# Altium PCB mdriver_control.PcbDoc (part 1 of 3) (continued)
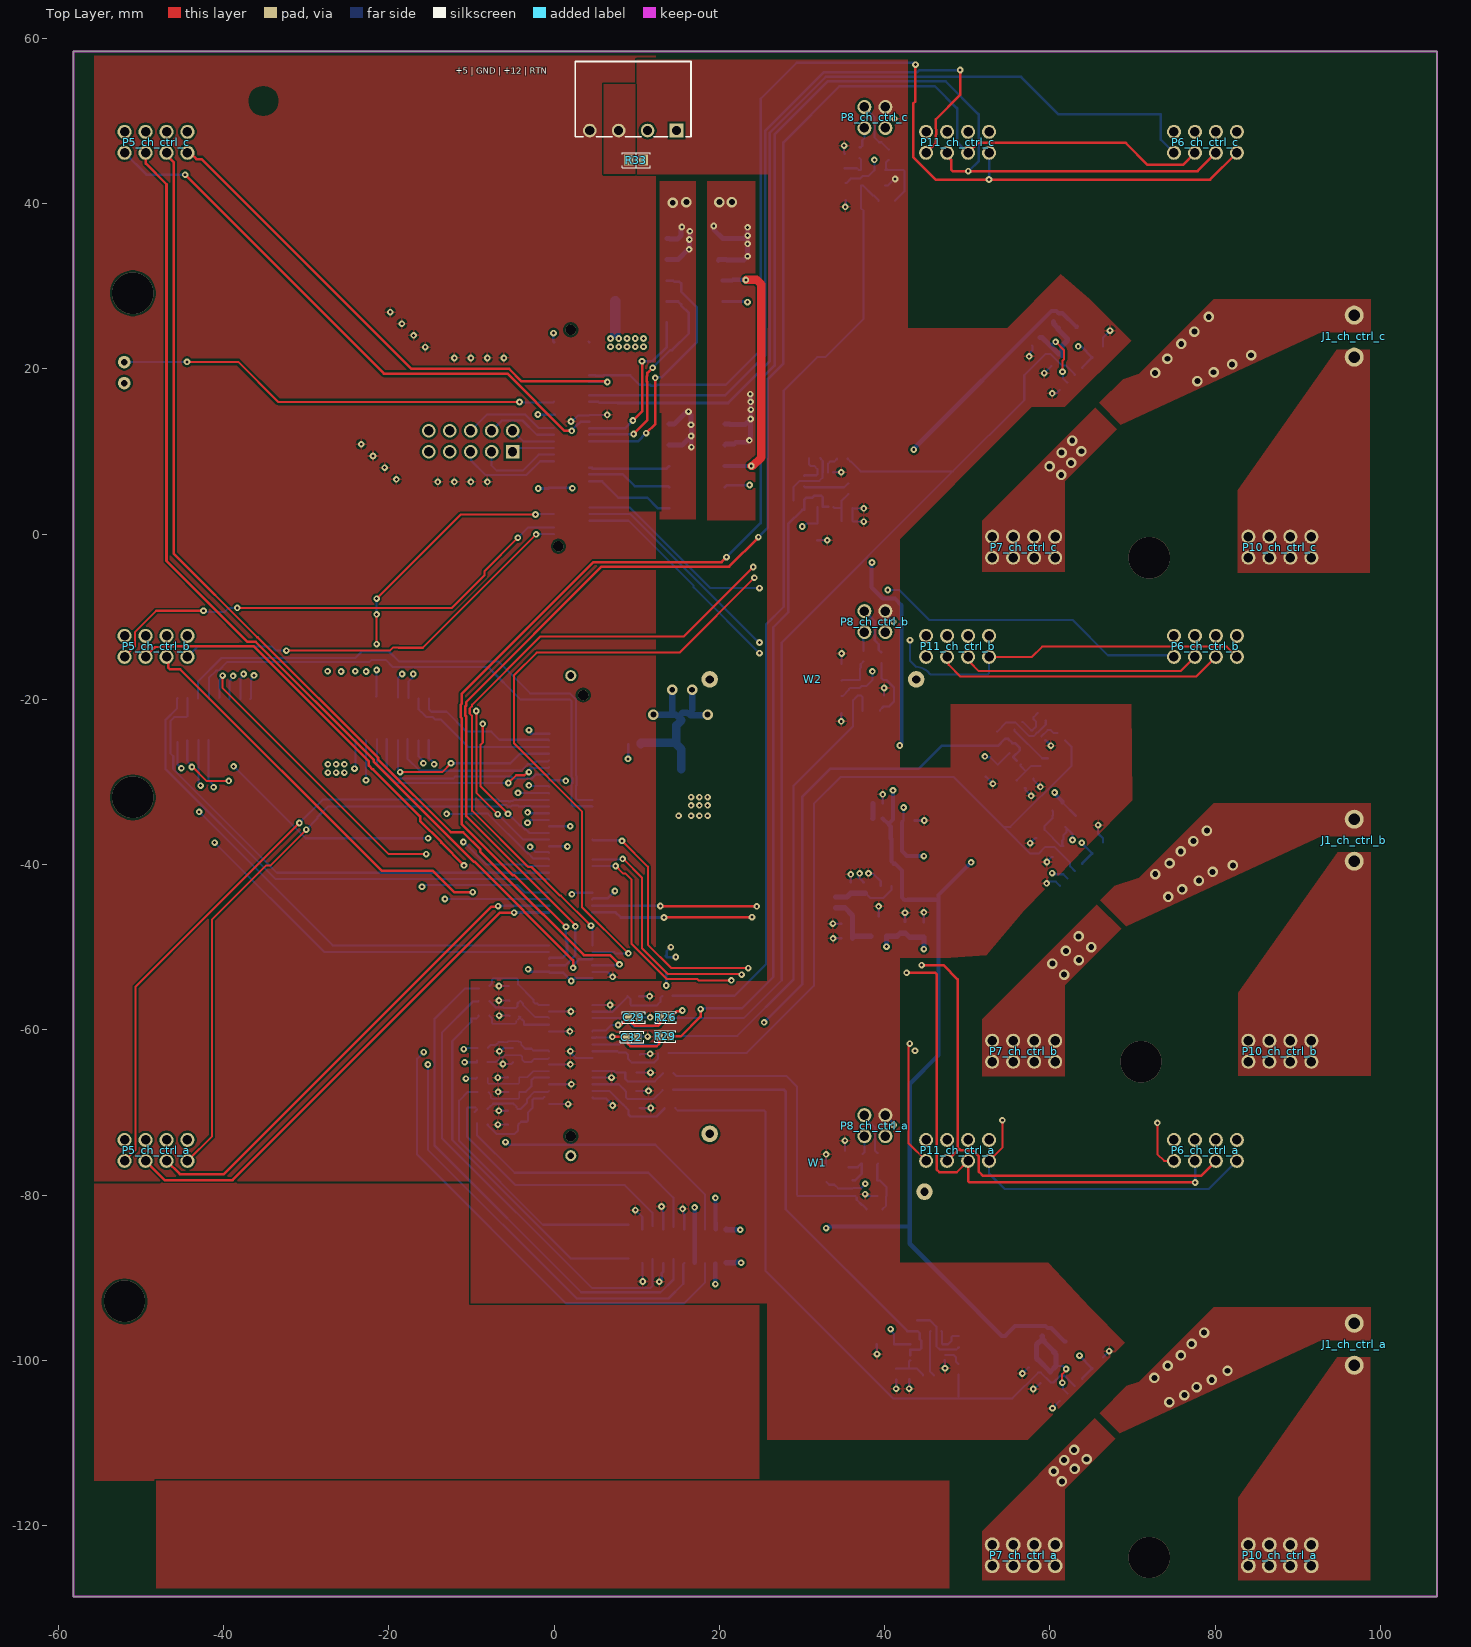
[diagram p0: Top Layer view]
## Components (designator, comment, footprint, x,y, rotation, side; value= is the part's Value field where it differs from the comment)
"10nF 0603_isns1" "06035C-103KAT2A" CAPC1608X90X35LL15T15 42.968,-101.638 r90 bottom (schematic designator "10nF 0603")
"10nF 0603_isns2" "06035C-103KAT2A" CAPC1608X90X35LL15T15 57.541,-29.157 r135 bottom (schematic designator "10nF 0603")
"10nF 0603_isns3" "06035C-103KAT2A" CAPC1608X90X35LL15T15 35.448,3.147 r180 bottom (schematic designator "10nF 0603")
C1_isns1 "100nF 25V 0805" FP-CC0805-0_85-MFG 61.235,-98.359 r45 bottom value="100 nF" (schematic designator C1)
C1_isns2 "100nF 25V 0805" FP-CC0805-0_85-MFG 62.507,-34.772 r45 bottom value="100 nF" (schematic designator C1)
C1_isns3 "100nF 25V 0805" FP-CC0805-0_85-MFG 62.631,24.446 r45 bottom value="100 nF" (schematic designator C1)
C2_isns1 "100nF 25V 0805" FP-CC0805-0_85-MFG 59.488,-102.107 r45 bottom value="100 nF" (schematic designator C2)
C2_isns2 "100nF 25V 0805" FP-CC0805-0_85-MFG 60.997,-38.416 r45 bottom value="100 nF" (schematic designator C2)
C2_isns3 "100nF 25V 0805" FP-CC0805-0_85-MFG 60.816,20.977 r45 bottom value="100 nF" (schematic designator C2)
C3 "1uF 0603 6.3V" FP-GRM188-0_1-MFG 35.728,-42.791 r270 bottom
C4 "22uF 0603 10V" FP-GRM188-0_2-IPC_C 39.164,-34.411 r180 bottom
c5 "0603 100nF" "CAP 0603_1608" 42.974,-34.665 r0 bottom
C6 "1uF 0603 6.3V" FP-GRM188-0_1-MFG 35.444,-48.921 r0 bottom
C7 "1uF 0603 6.3V" FP-GRM188-0_1-MFG 37.455,-42.791 r270 bottom
C8 "1uF 0603 6.3V" FP-GRM188-0_1-MFG 35.444,-47.143 r0 bottom
C9 "100nF 25V 0805" FP-CC0805-0_85-MFG 44.752,-47.873 r270 bottom value="100 nF"
C10 "2.2uF 0603 10V" FP-GRM188-0_1-e0_2_0_5-MFG 42.466,-47.619 r90 bottom
C11_ch_ctrl_a "0603 50V 100nF" FP-CGA3E-0_3-0_1-IPC_A 32.928,-77.359 r90 bottom (schematic designator C11)
C11_ch_ctrl_b "0603 50V 100nF" FP-CGA3E-0_3-0_1-IPC_A 34.789,-20.637 r270 bottom (schematic designator C11)
C11_ch_ctrl_c "0603 50V 100nF" FP-CGA3E-0_3-0_1-IPC_A 35.297,41.466 r270 bottom (schematic designator C11)
C12 "1uF 0603 6.3V" FP-GRM188-0_1-MFG 12.825,-51.087 r180 bottom
C13_isns1 "0603 50V 100nF" FP-CGA3E-0_3-0_1-IPC_A 40.098,-98.031 r180 bottom (schematic designator C13)
C13_isns2 "0603 50V 100nF" FP-CGA3E-0_3-0_1-IPC_A 52.961,-28.636 r225 bottom (schematic designator C13)
C13_isns3 "0603 50V 100nF" FP-CGA3E-0_3-0_1-IPC_A 31.842,0.277 r270 bottom (schematic designator C13)
C14 "47uF 0805 6.3V" CAPC2014X150X70LL20 12.825,-53.087 r180 bottom
C15 "0603" "CAP 0603_1608" 9.684,-69.434 r180 bottom
C16 "0603" "CAP 0603_1608" -4.896,-71.486 r0 bottom
C17 "0603" "CAP 0603_1608" -4.891,-69.788 r0 bottom
C18 "0603" "CAP 0603_1608" 9.232,-65.204 r180 bottom
C19 "100nF 25V 0805" FP-CC0805-0_85-MFG 14.084,-32.227 r180 bottom value="100 nF"
C20 "10uF 0805 10V" FP-C0805C-DG-MFG 9.719,-25.438 r180 bottom value=10uF
C21 "0603" "CAP 0603_1608" -4.84,-67.496 r0 bottom
C22 "0603" "CAP 0603_1608" 9.232,-67.43 r180 bottom
C23 "0603" "CAP 0603_1608" -4.722,-58.423 r0 bottom
C24_isns1 "100nF 25V 0805" FP-CC0805-0_85-MFG 65.772,-100.301 r225 bottom value="100 nF" (schematic designator C24)
C24_isns2 "100nF 25V 0805" FP-CC0805-0_85-MFG 65.772,-37.976 r225 bottom value="100 nF" (schematic designator C24)
C24_isns3 "100nF 25V 0805" FP-CC0805-0_85-MFG 65.772,22.024 r225 bottom value="100 nF" (schematic designator C24)
C25 "0603" "CAP 0603_1608" -4.732,-56.486 r0 bottom
C26 "0603" "CAP 0603_1608" -4.775,-54.687 r0 bottom
C27 "0603" "CAP 0603_1608" 9.703,-63.035 r180 bottom
C28 "0603" "CAP 0603_1608" 9.371,-60.928 r180 bottom
C29 "0603" "CAP 0603_1608" 9.625,-58.487 r180 top
C30 "0603" "CAP 0603_1608" 9.684,-58.475 r180 bottom
C31 "0603" "CAP 0603_1608" 9.5,-55.976 r180 bottom
C32 "0603" "CAP 0603_1608" 9.425,-60.887 r180 top
C33 "0603" "CAP 0603_1608" -4.275,-62.187 r0 bottom
C34 "0603" "CAP 0603_1608" -4.901,-65.711 r0 bottom
C35 "0603" "CAP 0603_1608" -4.275,-63.887 r0 bottom
D2_isns1 "1N914BWT" FP-502-01-MFG 49.013,-97.701 r270 bottom value=4pF (schematic designator D2)
D2_isns2 "1N914BWT" FP-502-01-MFG 59.032,-22.098 r315 bottom value=4pF (schematic designator D2)
D2_isns3 "1N914BWT" FP-502-01-MFG 31.511,9.192 r0 bottom value=4pF (schematic designator D2)
D3_isns1 "1N914BWT" FP-502-01-MFG 46.219,-96.456 r0 bottom value=4pF (schematic designator D3)
D3_isns2 "1N914BWT" FP-502-01-MFG 56.176,-23.194 r45 bottom value=4pF (schematic designator D3)
D3_isns3 "1N914BWT" FP-502-01-MFG 30.267,6.398 r90 bottom value=4pF (schematic designator D3)
J1_ch_ctrl_a "weidmuller_20A_2p_f" weidmuller_19A_2p_m 96.825,-100.587 r90 top locked (schematic designator J1)
J1_ch_ctrl_b "weidmuller_20A_2p_f" weidmuller_19A_2p_m 96.825,-39.587 r90 top locked (schematic designator J1)
J1_ch_ctrl_c "weidmuller_20A_2p_f" weidmuller_19A_2p_m 96.825,21.413 r90 top locked (schematic designator J1)
J3 "HSEC8-160-01-L-DV-A-BL" FP-HSEC8-160-01-L-DV-A-BL-MFG 2.018,-46.182 r270 bottom locked
J4 "SAMTEC-A-HSEC8-130-01-L-DV-AJ" SAMTEC-A-HSEC-120 2.273,10.217 r90 bottom
J5 "691243100004" 691243100004 9.565,52.633 r180 top
J6 "pin_connector_20_m" PIN_20_MALE_3220-20-0300-00 20.825,-81.587 r270 bottom locked
J8 "pin_header_50_male_smd" pin_connector_50_m_1.27_smd -15.175,-24.587 r90 bottom locked
P1 "61301021121" 61301021121 -10.093,11.23 r180 bottom
P2 "Header 2H" HEADER_1_2_f -52.019,19.537 r90 bottom
P3 "61231020621" 61231020621 17.015,30.683 r90 bottom
P4 "61231020621" 61231020621 17.285,8.223 r90 bottom
P5_ch_ctrl_a "buck_connector" header_4_2_f#1 -48.175,-74.587 r0 top locked (schematic designator P5)
P5_ch_ctrl_b "buck_connector" header_4_2_f#2 -48.175,-13.587 r180 top locked (schematic designator P5)
P5_ch_ctrl_c "buck_connector" header_4_2_f#3 -48.175,47.413 r0 top locked (schematic designator P5)
P6_ch_ctrl_a "lega_connector" header_4_2_f#4 78.825,-74.587 r0 top locked (schematic designator P6)
P6_ch_ctrl_b "lega_connector" header_4_2_f#2 78.825,-13.587 r180 top locked (schematic designator P6)
P6_ch_ctrl_c "lega_connector" header_4_2_f#5 78.825,47.413 r0 top locked (schematic designator P6)
P7_ch_ctrl_a "Header 8" header_4_2_f#6 56.825,-123.587 r180 top locked (schematic designator P7)
P7_ch_ctrl_b "Header 8" header_4_2_f#2 56.825,-62.587 r0 top locked (schematic designator P7)
P7_ch_ctrl_c "Header 8" header_4_2_f#7 56.825,-1.587 r0 top locked (schematic designator P7)
P8_ch_ctrl_a "Header 4" header_2_2_f#1 38.825,-71.587 r90 top (schematic designator P8)
P8_ch_ctrl_b "Header 4" header_2_2_f#2 38.825,-10.587 r90 top locked (schematic designator P8)
P8_ch_ctrl_c "Header 4" header_2_2_f#2 38.825,50.413 r90 top (schematic designator P8)
P10_ch_ctrl_a "Header 8" header_4_2_f#6 87.825,-123.587 r180 top locked (schematic designator P10)
P10_ch_ctrl_b "Header 8" header_4_2_f#2 87.825,-62.587 r0 top locked (schematic designator P10)
P10_ch_ctrl_c "Header 8" header_4_2_f#7 87.825,-1.587 r0 top locked (schematic designator P10)
P11_ch_ctrl_a "legb_connector" header_4_2_f#8 48.825,-74.587 r0 top locked (schematic designator P11)
P11_ch_ctrl_b "legb_connector" header_4_2_f#2 48.825,-13.587 r180 top locked (schematic designator P11)
P11_ch_ctrl_c "legb_connector" header_4_2_f#5 48.825,47.413 r0 top locked (schematic designator P11)
R1_ch_ctrl_a "Res1" "RES 0805_2012"#1 38.853,-81.724 r180 bottom value=1K (schematic designator R1)
R1_ch_ctrl_b "Res1" "RES 0805_2012"#2 38.218,-21.399 r180 bottom value=1K (schematic designator R1)
R1_ch_ctrl_c "Res1" "RES 0805_2012"#3 40.377,40.323 r180 bottom value=1K (schematic designator R1)
R2_ch_ctrl_a "Res1" "RES 0603_1608" 39.175,-75.558 r270 bottom value=1K (schematic designator R2)
R2_ch_ctrl_b "Res1" "RES 0603_1608" 39.615,-14.937 r270 bottom value=1K (schematic designator R2)
R2_ch_ctrl_c "Res1" "RES 0603_1608" 40.504,45.911 r270 bottom value=1K (schematic designator R2)
R3_ch_ctrl_a "Res1" "RES 0603_1608" 37.355,-75.673 r270 bottom value=1K (schematic designator R3)
R3_ch_ctrl_b "Res1" "RES 0603_1608" 37.456,-14.795 r270 bottom value=1K (schematic designator R3)
R3_ch_ctrl_c "Res1" "RES 0603_1608" 36.948,46.165 r270 bottom value=1K (schematic designator R3)
R4_ch_ctrl_a "Res1" "RES 0805_2012"#4 35.161,-75.76 r270 bottom value=1K (schematic designator R4)
R4_ch_ctrl_b "Res1" "RES 0805_2012"#5 34.789,-16.573 r270 bottom value=1K (schematic designator R4)
R4_ch_ctrl_c "Res1" "RES 0805_2012"#6 35.17,45.149 r270 bottom value=1K (schematic designator R4)
R5_isns1 "10k 0603 0.1%" RESC1608X55X30ML20T20 59.563,-96.59 r45 bottom (schematic designator R5)
R5_isns2 "10k 0603 0.1%" RESC1608X55X30ML20T20 60.814,-32.992 r45 bottom (schematic designator R5)
R5_isns3 "10k 0603 0.1%" RESC1608X55X30ML20T20 60.921,26.233 r45 bottom (schematic designator R5)
R6_isns1 "10k 0603 0.1%" RESC1608X55X30ML20T20 57.933,-100.385 r45 bottom (schematic designator R6)
R6_isns2 "10k 0603 0.1%" RESC1608X55X30ML20T20 58.875,-36.294 r45 bottom (schematic designator R6)
R6_isns3 "10k 0603 0.1%" RESC1608X55X30ML20T20 58.335,23.305 r45 bottom (schematic designator R6)
R7 "0" "RES 0805_2012"#6 7.419,29.15 r270 bottom
R8 "0603" "RES 0603_1608" 14.025,-69.487 r0 bottom
R9 "0.1Ohm 0603" RESC1508X46X38NL25T25 39.201,-32.609 r180 bottom
R10 "Res1" "RES 0603_1608" 33.906,-44.571 r90 bottom value=1K
R11 "0603" "RES 0603_1608" 13.806,-65.086 r0 bottom
R13_isns1 "0603 10k" "RES 0603_1608" 43.908,-95.796 r270 bottom value=1K (schematic designator R13)
R13_isns2 "0603 10k" "RES 0603_1608" 54.075,-24.361 r315 bottom value=1K (schematic designator R13)
R13_isns3 "0603 10k" "RES 0603_1608" 29.606,4.087 r0 bottom value=1K (schematic designator R13)
R14_isns1 "0603 100" "RES 0603_1608" 45.305,-101.816 r180 bottom value=1K (schematic designator R14)
R14_isns2 "0603 100" "RES 0603_1608" 59.319,-27.63 r225 bottom value=1K (schematic designator R14)
R14_isns3 "0603 100" "RES 0603_1608" 35.626,5.484 r270 bottom value=1K (schematic designator R14)
R15_isns1 "0603 Jumper" "RES 0603_1608" 48.962,-101.079 r90 bottom value=1K (schematic designator R15)
R15_isns2 "0603 Jumper" "RES 0603_1608" 61.385,-24.523 r135 bottom value=1K (schematic designator R15)
R15_isns3 "0603 Jumper" "RES 0603_1608" 34.89,9.141 r180 bottom value=1K (schematic designator R15)
R16_isns1 "0603 100k" "RES 0603_1608" 41.393,-101.663 r90 bottom value=1K (schematic designator R16)
R16_isns2 "0603 100k" "RES 0603_1608" 56.446,-30.288 r135 bottom value=1K (schematic designator R16)
R16_isns3 "0603 100k" "RES 0603_1608" 35.474,1.572 r180 bottom value=1K (schematic designator R16)
R17 "0603" "RES 0603_1608" 13.761,-67.195 r0 bottom
R18 "0603" "RES 0603_1608" -8.675,-71.487 r180 bottom
R19 "0603" "RES 0603_1608" -8.675,-69.587 r180 bottom
R20 "0603" "RES 0603_1608" -8.639,-67.496 r180 bottom
R21 "0603" "RES 0603_1608" -8.625,-58.295 r180 bottom
R22 "0603" "RES 0603_1608" -8.508,-56.486 r180 bottom
R23 "0603" "RES 0603_1608" -8.536,-54.687 r180 bottom
R24 "0603" "RES 0603_1608" 13.476,-62.906 r0 bottom
R25 "0603" "RES 0603_1608" 13.486,-60.728 r0 bottom
R26 "0603" "RES 0603_1608" 13.525,-58.487 r0 top
R27 "0603" "RES 0603_1608" 13.524,-58.475 r0 bottom
R28 "0603" "RES 0603_1608" 13.876,-55.927 r0 bottom
R29 "0603" "RES 0603_1608" 13.425,-60.787 r0 top
R30 "0603" "RES 0603_1608" -8.625,-62.187 r180 bottom
R31 "0603" "RES 0603_1608" -8.679,-65.778 r180 bottom
R32 "0603" "RES 0603_1608" -8.675,-63.887 r180 bottom
R33 "0" "RES 0805_2012"#6 9.921,45.251 r0 top
U1_ch_ctrl_a "LMC7101QM5X/NOPB" DBV0005A_M 37.634,-79.159 r0 bottom (schematic designator U1)
U1_ch_ctrl_b "LMC7101QM5X/NOPB" DBV0005A_M 38.472,-18.605 r0 bottom (schematic designator U1)
U1_ch_ctrl_c "LMC7101QM5X/NOPB" DBV0005A_M 38.599,43.117 r0 bottom (schematic designator U1)
U2 "REF3130AIDBZR" DBZ0003A_N 39.278,-47.463 r90 bottom
U3_isns1 "TMCS1100A1QDR" SOIC8 67.723,-106.014 r135 bottom (schematic designator U3)
U3_isns2 "TMCS1100A1QDR" SOIC8 67.723,-43.689 r135 bottom (schematic designator U3)
U3_isns3 "TMCS1100A1QDR" SOIC8 67.723,16.311 r135 bottom (schematic designator U3)
U4 "OPA350UA" D0008A_M 41.45,-39.745 r90 bottom
U5 "LD1117AS33TR" SOT-223_M 15.403,-25.491 r90 bottom
U6_isns1 "LTC6244HMS8#TRPBF" LT-MS8-8_L 45.203,-99.022 r180 bottom (schematic designator U6)
U6_isns2 "LTC6244HMS8#TRPBF" LT-MS8-8_L 57.272,-25.726 r225 bottom (schematic designator U6)
U6_isns3 "LTC6244HMS8#TRPBF" LT-MS8-8_L 32.832,5.382 r270 bottom (schematic designator U6)
W1 "wire_jumper" wire_jumper#1 46.825,-85.587 r90 top
W2 "wire_jumper" wire_jumper#2 45.825,-24.587 r90 top

## Footprints (in the part's own frame and the unit in brackets; to place one, negate y for a bottom-side part, rotate by r counter-clockwise, add the part's x,y. Pads: shape width x height; smd on the part's side, far side on the other; paste and mask are expansions set on the pad)
61231020621 [mm] "WR-BHD 2.54mm Male SMT Box Header (Reel), 10p"
  rect 1x3.75 smd: 1(-5.08,-3.375) 2(-5.08,3.375) 3(-2.54,-3.375) 4(-2.54,3.375) 5(0,-3.375) 6(0,3.375) 7(2.54,-3.375) 8(2.54,3.375) 9(5.08,-3.375) 10(5.08,3.375)
  silkscreen extent -10.25,-4.6 10.25,4.6, body extent -10.16,-4.75 10.16,4.75, height 10.55
61301021121 [mm] "Pin Header, pitch 2.54 mm, THT, Vertical, dual row, 10p"
  rect 1.65x1.65 hole 1.1: 1(-5.08,-1.27)
  round 1.65 hole 1.1: 2(-5.08,1.27) 3(-2.54,-1.27) 4(-2.54,1.27) 5(0,-1.27) 6(0,1.27) 7(2.54,-1.27) 8(2.54,1.27) 9(5.08,-1.27) 10(5.08,1.27)
  silkscreen extent -6.5,-2.62 6.5,2.62, body extent -6.35,-2.54 6.35,2.54, height 8.59
691243100004 [mm] "Serie 2431 - 3.50 mm _ 4 pins"
  rect 1.65x1.65 hole 1.1: 1(-5.25,3.8)
  round 1.65 hole 1.1: 2(-1.75,3.8) 3(1.75,3.8) 4(5.25,3.8)
  silkscreen extent -7,-4.55 7,4.55, body extent -7,-4.55 7,4.55, height 7.35
"CAP 0603_1608" [mm] "Chip Capacitor, 2-Leads, Body 1.60x0.80mm, IPC Medium Density"
  rect 0.9x1 smd: 1(-0.675,0) 2(0.675,0)
  silkscreen extent -1.4,-0.7 1.4,0.7, body extent -0.8,-0.41 0.8,0.41, height 0.82
CAPC1608X90X35LL15T15 [mm] "Chip Capacitor, 2-Leads, Body 1.60x0.81mm, IPC High Density"
  rect 0.85x0.9 smd: 1(-0.65,0) 2(0.65,0)
  body extent -0.88,-0.48 0.87,0.48, height 0.9
CAPC2014X150X70LL20 [mm] "Chip Capacitor, 2-Leads, Body 2.00x1.35mm, IPC High Density"
  rect 1.05x1.45 smd: 1(-0.725,0) 2(0.725,0)
  body extent -1.1,-0.77 1.1,0.77, height 1.5
D0008A_M [mm] "SOIC, 8-Leads, Body 5x4mm, Pitch 1.27mm, IPC Low Density"
  rrect15% 1.65x0.65 smd: 1(-2.825,1.905) 2(-2.825,0.635) 3(-2.825,-0.635) 4(-2.825,-1.905) 5(2.825,-1.905) 6(2.825,-0.635) 7(2.825,0.635) 8(2.825,1.905)
  silkscreen extent -2.95,-2.5 1.6,2.9, body extent -3,-2.45 3,2.45, height 1.63
DBV0005A_M [mm] "SOT23, 5-Leads, Body 3.05x1.75mm, Pitch 0.95mm, IPC Low Density"
  rrect15% 1.2x0.65 smd mask+0.051: 1(-1.475,0.95) 2(-1.475,0) 3(-1.475,-0.95) 4(1.475,-0.95) 5(1.475,0.95)
  silkscreen extent -1.6,-1.55 0.5,1.95, body extent -1.42,-1.46 1.42,1.46, height 1.08
DBZ0003A_N [mm] "SOT23, 3-Leads, Body 3.04x1.4mm, Pitch 0.95mm, IPC Medium Density"
  rrect17% 1x0.6 smd: 1(-1.2,0.95) 2(-1.2,-0.95) 3(1.2,0)
  silkscreen extent -1.32,-1.5 0.7,1.92, body extent -1.26,-1.46 1.26,1.46, height 0.96
FP-502-01-MFG [mm]
  rect 0.48x0.4 smd paste+0 mask+0: 1(-0.66,0) 2(0.66,0)
  silkscreen extent -1.62,-0.45 0.05,0.45, body extent -0.8,-0.4 0.8,0.4, height 0.7
FP-C0805C-DG-MFG [mm]
  rect 0.95x1.35 smd paste+0 mask+0: 1(-0.75,0) 2(0.75,0)
  silkscreen extent -1.11,-1.08 1.1,1.07, body extent -1,-0.63 1,0.62, height 1.4
FP-CC0805-0_85-MFG [mm]
  rect 0.95x1.4 smd paste+0 mask+0: 1(-0.925,0) 2(0.925,0)
  silkscreen extent -0.08,-0.72 0.08,0.73, body extent -1,-0.63 1,0.62, height 0.95
FP-CGA3E-0_3-0_1-IPC_A [mm]
  rect 0.956x1.206 smd paste+0 mask+0: 1(-1.025,0) 2(1.025,0)
  silkscreen extent -0.25,-0.6 0.25,0.6, body extent -0.8,-0.4 0.8,0.4, height 1.1
FP-GRM188-0_1-e0_2_0_5-MFG [mm]
  rect 0.65x0.7 smd paste+0 mask+0: 1(-0.675,0) 2(0.675,0)
  silkscreen extent -0.85,-0.75 0.85,0.75, body extent -0.8,-0.4 0.8,0.4, height 0.9
FP-GRM188-0_1-MFG [mm]
  rect 0.65x0.7 smd paste+0 mask+0: 1(-0.675,0) 2(0.675,0)
  silkscreen extent -0.91,-0.78 0.82,0.75, body extent -0.8,-0.4 0.8,0.4, height 0.9
FP-GRM188-0_2-IPC_C [mm]
  rect 0.905x0.906 smd paste+0 mask+0: 1(-0.601,0) 2(0.601,0)
  silkscreen extent -1.05,-0.9 1.05,0.9, body extent -0.8,-0.4 0.8,0.4, height 1
FP-HSEC8-160-01-L-DV-A-BL-MFG [mm]
  rect 0.5x3.048 smd paste+0 mask+0: 1(25.2,2.625) 2(25.2,-2.626) 3(24.4,2.625) 4(24.4,-2.626) 5(23.6,2.625) 6(23.6,-2.626) 7(22.8,2.625) 8(22.8,-2.626) 9(22,2.625) 10(22,-2.626) 11(21.2,2.625) 12(21.2,-2.626) 13(20.4,2.625) 14(20.4,-2.626) 15(19.6,2.625) 16(19.6,-2.626) 17(18.8,2.625) 18(18.8,-2.626) 19(18,2.625) 20(18,-2.626) 21(17.2,2.625) 22(17.2,-2.626) 23(16.4,2.625) 24(16.4,-2.626) 25(15.6,2.625) 26(15.6,-2.626) 27(14.8,2.625) 28(14.8,-2.626) 29(14,2.625) 30(14,-2.626) 31(13.2,2.625) 32(13.2,-2.626) 33(12.4,2.625) 34(12.4,-2.626) 35(11.6,2.625) 36(11.6,-2.626) 37(10.8,2.625) 38(10.8,-2.626) 39(10,2.625) 40(10,-2.626) 41(9.2,2.625) 42(9.2,-2.626) 43(8.4,2.625) 44(8.4,-2.626) 45(7.6,2.625) 46(7.6,-2.626) 47(6.8,2.625) 48(6.8,-2.626) 49(6,2.625) 50(6,-2.626) 51(5.2,2.625) 52(5.2,-2.626) 53(4.4,2.625) 54(4.4,-2.626) 55(3.6,2.625) 56(3.6,-2.626) 57(-0.4,2.625) 58(-0.4,-2.626) 59(-1.2,2.625) 60(-1.2,-2.626) 61(-2,2.625) 62(-2,-2.626) 63(-2.8,2.625) 64(-2.8,-2.626) 65(-3.6,2.625) 66(-3.6,-2.626) 67(-4.4,2.625) 68(-4.4,-2.626) 69(-5.2,2.625) 70(-5.2,-2.626) 71(-6,2.625) 72(-6,-2.626) 73(-6.8,2.625) 74(-6.8,-2.626) 75(-7.6,2.625) 76(-7.6,-2.626) 77(-8.4,2.625) 78(-8.4,-2.626) 79(-9.2,2.625) 80(-9.2,-2.626) 81(-10,2.625) 82(-10,-2.626) 83(-10.8,2.625) 84(-10.8,-2.626) 85(-11.6,2.625) 86(-11.6,-2.626) 87(-12.4,2.625) 88(-12.4,-2.626) 89(-13.2,2.625) 90(-13.2,-2.626) 91(-14,2.625) 92(-14,-2.626) 93(-14.8,2.625) 94(-14.8,-2.626) 95(-15.6,2.625) 96(-15.6,-2.626) 97(-16.4,2.625) 98(-16.4,-2.626) 99(-17.2,2.625) 100(-17.2,-2.626) 101(-18,2.625) 102(-18,-2.626) 103(-18.8,2.625) 104(-18.8,-2.626) 105(-19.6,2.625) 106(-19.6,-2.626) 107(-20.4,2.625) 108(-20.4,-2.626) 109(-21.2,2.625) 110(-21.2,-2.626) 111(-22,2.625) 112(-22,-2.626) 113(-22.8,2.625) 114(-22.8,-2.626) 115(-23.6,2.625) 116(-23.6,-2.626) 117(-24.4,2.625) 118(-24.4,-2.626) 119(-25.2,2.625) 120(-25.2,-2.626)
  round 1.34 hole 0.84 paste-2539.97 mask+0: 121(-29.05,0) 122(29.05,0)
  round 1.27 hole 1.27 unplated paste-2539.97 mask+0: ""(-26.7,-1.5) ""(26.7,0)
  silkscreen extent -25.32,-4.25 -25.08,-4, body extent -33.52,-3.5 33.53,3.5, height 12
HEADER_1_2_f [mil]
  round 60 hole 30: 1(-50,0) 2(50,0)
  body extent -100,-50 100,50, height 335
header_2_2_f#1 [mm]
  round 1.7 hole 1.15: 1(1.265,-1.265) 2(1.265,1.275) 3(-1.275,1.275) 4(-1.275,-1.265)
  body extent -2.54,-2.54 2.54,2.54, height 8.5
header_2_2_f#2 [mm]
  round 1.7 hole 1.15: 1(1.27,-1.27) 2(1.27,1.27) 3(-1.27,1.27) 4(-1.27,-1.27)
  body extent -2.54,-2.54 2.54,2.54, height 8.5
header_4_2_f#1 [mm]
  round 1.7 hole 1.15: 1(3.81,-1.27) 2(1.27,1.27) 3(1.27,-1.27) 4(3.797,1.281) 5(-1.27,-1.27) 6(-3.81,1.27) 7(-3.81,-1.27) 8(-1.27,1.27)
  body extent -5.08,-2.54 5.08,2.54, height 8.5
header_4_2_f#2 [mm]
  round 1.7 hole 1.15: 1(-3.81,1.27) 2(-3.81,-1.27) 3(-1.27,1.27) 4(-1.27,-1.27) 5(1.27,1.27) 6(1.27,-1.27) 7(3.81,1.27) 8(3.81,-1.27)
  body extent -5.08,-2.54 5.08,2.54, height 8.5
header_4_2_f#3 [mm]
  round 1.7 hole 1.15: 1(3.81,-1.27) 2(1.27,1.27) 3(1.27,-1.27) 4(3.81,1.27) 5(-1.27,-1.27) 6(-3.81,1.27) 7(-3.81,-1.27) 8(-1.27,1.27)
  body extent -5.08,-2.54 5.08,2.54, height 8.5
header_4_2_f#4 [mm]
  round 1.7 hole 1.15: 1(3.81,-1.27) 2(3.81,1.27) 3(1.27,-1.27) 4(1.27,1.27) 5(-1.27,-1.27) 6(-1.27,1.27) 7(-3.81,-1.27) 8(-3.81,1.27)
  body extent -5.08,-2.54 5.08,2.54, height 8.5
header_4_2_f#5 [mm]
  round 1.7 hole 1.15: 1(3.81,-1.27) 2(3.81,1.27) 3(1.27,-1.27) 4(1.27,1.27) 5(-1.27,-1.27) 6(-3.81,1.27) 7(-3.81,-1.27) 8(-1.27,1.27)
  body extent -5.08,-2.54 5.08,2.54, height 8.5
header_4_2_f#6 [mm]
  round 1.8 hole 1.15: 1(-3.81,-1.27) 2(-3.81,1.27) 3(-1.27,-1.27) 4(-1.27,1.27) 5(1.27,-1.27) 6(1.27,1.27) 7(3.81,-1.27) 8(3.81,1.27)
  body extent -5.08,-2.54 5.08,2.54, height 8.5
header_4_2_f#7 [mm]
  round 1.7 hole 1.15: 1(-3.81,-1.27) 2(-3.81,1.27) 3(-1.27,-1.27) 4(-1.27,1.27) 5(1.27,-1.27) 6(1.27,1.27) 7(3.81,-1.27) 8(3.81,1.27)
  body extent -5.08,-2.54 5.08,2.54, height 8.5
header_4_2_f#8 [mm]
  round 1.7 hole 1.15: 1(3.81,-1.27) 2(1.27,1.27) 3(1.27,-1.27) 4(3.81,1.27) 6(-3.81,1.27) 7(-3.81,-1.27) 8(-1.27,1.27) ""(-1.27,-1.27)
  body extent -5.08,-2.54 5.08,2.54, height 8.5
LT-MS8-8_L [mm] "SOP, 8-Leads, Body 3x3mm, Pitch 0.65mm, IPC High Density"
  oval 1.3x0.45 smd mask+0.051: 1(-2.1,0.975) 2(-2.1,0.325) 3(-2.1,-0.325) 4(-2.1,-0.975) 5(2.1,-0.975) 6(2.1,-0.325) 7(2.1,0.325) 8(2.1,0.975)
  silkscreen extent -2.23,-1.55 1.05,1.87, body extent -1.55,-1.55 1.55,1.55, height 1.1
PIN_20_MALE_3220-20-0300-00 [mm]
  rect 2.77x0.65 smd: 1(2.54,0) 2(6.604,0) 3(2.54,1.27) 4(6.604,1.27) 5(2.54,2.54) 6(6.604,2.54) 7(2.54,3.81) 8(6.604,3.81) 9(2.54,5.08) 10(6.604,5.08) 11(2.54,6.35) 12(6.604,6.35) 13(2.54,7.62) 14(6.604,7.62) 15(2.54,8.89) 16(6.604,8.89) 17(2.54,10.16) 18(6.604,10.16) 19(2.54,11.43) 20(6.604,11.43)
  body extent 1.69,-3.78 7.19,15.22, height 5.4
pin_connector_50_m_1.27_smd [mm]
  rect 4.09x0.74 smd: 1(0,0)
  oval 4.09x0.74 smd: 2(0,-1.27) 3(0,-2.54) 4(0,-3.81) 5(0,-5.08) 6(0,-6.35) 7(0,-7.62) 8(0,-8.89) 9(0,-10.16) 10(0,-11.43) 11(0,-12.7) 12(0,-13.97) 13(0,-15.24) 14(0,-16.51) 15(0,-17.78) 16(0,-19.05) 17(0,-20.32) 18(0,-21.59) 19(0,-22.86) 20(0,-24.13) 21(0,-25.4) 22(0,-26.67) 23(0,-27.94) 24(0,-29.21) 25(0,-30.48) 26(4.95,-30.48) 27(4.95,-29.21) 28(4.95,-27.94) 29(4.95,-26.67) 30(4.95,-25.4) 31(4.95,-24.13) 32(4.95,-22.86) 33(4.95,-21.59) 34(4.95,-20.32) 35(4.95,-19.05) 36(4.95,-17.78) 37(4.95,-16.51) 38(4.95,-15.24) 39(4.95,-13.97) 40(4.95,-12.7) 41(4.95,-11.43) 42(4.95,-10.16) 43(4.95,-8.89) 44(4.95,-7.62) 45(4.95,-6.35) 46(4.95,-5.08) 47(4.95,-3.81) 48(4.95,-2.54) 49(4.95,-1.27) 50(4.95,0)
  body extent -1.3,-38.42 6.22,7.82, height 11.67
"RES 0603_1608" [mm] "Chip Resistor, 2-Leads, Body 1.60x0.80mm, IPC Medium Density"
  rect 0.85x0.95 smd: 1(-0.65,0) 2(0.65,0)
  silkscreen extent -1.27,-0.7 1.27,0.7, body extent -0.8,-0.4 0.8,0.4, height 0.45
"RES 0805_2012"#1 [mm] "Chip Resistor, 2-Leads, Body 2.00x1.25mm, IPC Medium Density"
  rect 1.15x1.35 smd: 1(-0.875,0) 2(1.045,-0.012)
  silkscreen extent -1.7,-0.9 1.7,0.9, body extent -1,-0.62 1,0.63, height 0.6
"RES 0805_2012"#2 [mm] "Chip Resistor, 2-Leads, Body 2.00x1.25mm, IPC Medium Density"
  rect 1.15x1.35 smd: 1(-1.201,-0.012) 2(0.875,0)
  silkscreen extent -1.7,-0.9 1.7,0.9, body extent -1,-0.62 1,0.63, height 0.6
"RES 0805_2012"#3 [mm] "Chip Resistor, 2-Leads, Body 2.00x1.25mm, IPC Medium Density"
  rect 1.15x1.35 smd: 1(-0.875,0) 2(1.129,0)
  silkscreen extent -1.7,-0.9 1.7,0.9, body extent -1,-0.62 1,0.63, height 0.6
"RES 0805_2012"#4 [mm] "Chip Resistor, 2-Leads, Body 2.00x1.25mm, IPC Medium Density"
  rect 1.15x1.35 smd: 1(-1.097,-0.02) 2(0.875,0)
  silkscreen extent -1.7,-0.9 1.7,0.9, body extent -1,-0.62 1,0.63, height 0.6
"RES 0805_2012"#5 [mm] "Chip Resistor, 2-Leads, Body 2.00x1.25mm, IPC Medium Density"
  rect 1.15x1.35 smd: 1(-0.875,0) 2(1.149,-0.02)
  silkscreen extent -1.7,-0.9 1.7,0.9, body extent -1,-0.62 1,0.63, height 0.6
"RES 0805_2012"#6 [mm] "Chip Resistor, 2-Leads, Body 2.00x1.25mm, IPC Medium Density"
  rect 1.15x1.35 smd: 1(-0.875,0) 2(0.875,0)
  silkscreen extent -1.7,-0.9 1.7,0.9, body extent -1,-0.62 1,0.63, height 0.6
RESC1508X46X38NL25T25 [mm] "Chip Resistor, 2-Leads, Body 1.52x0.76mm, IPC Medium Density"
  rect 1x1 smd: 1(-0.6,0) 2(0.6,0)
  body extent -0.89,-0.51 0.89,0.51, height 0.46
RESC1608X55X30ML20T20 [mm] "Chip Resistor, 2-Leads, Body 1.60x0.80mm, IPC Low Density"
  rect 1x1.1 smd: 1(-0.7,0) 2(0.7,0)
  body extent -0.9,-0.5 0.9,0.5, height 0.55
SAMTEC-A-HSEC-120 [mm]
  rect 0.406x2.5 smd: 1(-10.204,-2.26) 2(-10.204,2) 3(-9.404,-2.26) 4(-9.404,2) 5(-8.604,-2.26) 6(-8.604,2) 7(-7.804,-2.26) 8(-7.804,2) 9(-7.004,-2.26) 10(-7.004,2) 11(-6.204,-2.26) 12(-6.204,2) 13(-5.404,-2.26) 14(-5.404,2) 15(-4.604,-2.26) 16(-4.604,2) 17(-3.804,-2.26) 18(-3.804,2) 19(-3.004,-2.26) 20(-3.004,2) 21(-2.203,-2.26) 22(-2.203,2) 23(-1.403,-2.26) 24(-1.403,2) 25(-0.603,-2.26) 26(-0.603,2) 27(0.197,-2.26) 28(0.197,2) 29(0.997,-2.26) 30(0.997,2) 31(1.797,-2.26) 32(1.797,2) 33(2.597,-2.26) 34(2.597,2) 35(3.397,-2.26) 36(3.397,2) 37(4.197,-2.26) 38(4.197,2) 39(4.997,-2.26) 40(4.997,2) 41(5.798,-2.26) 42(5.798,2) 43(6.598,-2.26) 44(6.598,2) 45(7.398,-2.26) 46(7.398,2) 47(8.198,-2.26) 48(8.198,2) 49(8.998,-2.26) 50(8.998,2) 51(9.798,-2.26) 52(9.798,2) 53(10.598,-2.26) 54(10.598,2) 55(11.398,-2.26) 56(11.398,2) 57(12.198,-2.26) 58(12.198,2) 59(12.998,-2.26) 60(12.998,2)
  round 1.27 hole 1.27: MH1(-11.703,-1.754) MH2(14.497,-0.255)
  silkscreen extent -13.35,-4.2 16.15,3.69, body extent -12.9,-3.75 15.7,3.25, height 7.8
SOIC8 [mm]
  rect 2x0.6 smd: 1(0,0)
  oval 2x0.6 smd: 2(0,-1.27) 3(0,-2.54) 4(0,-3.81) 5(5.4,-3.81) 6(5.4,-2.54) 7(5.4,-1.27) 8(5.4,0)
  body extent -0.49,-4.45 5.49,0.45, height 1.35
SOT-223_M [mm] "SOT223, 4-Leads, Body 6.5x3.5mm, Pitch 2.3mm, Lead Span 7mm, IPC Low Density"
  rect 2.7x1 smd: 1(-2.95,2.3) 2(-2.95,0) 3(-2.95,-2.3)
  rect 4.064x3.556 smd: 4(3.712,0)
  silkscreen extent -3.07,-3.35 1.3,3.48, body extent -1.85,-3.35 1.85,3.35, height 1.8
weidmuller_19A_2p_m [mm]
  round 2.3 hole 1.4: 1(0,0) 2(5.08,0)
  body extent -3.4,-9.94 8.52,2.06, height 9.63
wire_jumper#1 [mm]
  round 2 hole 1: 1(13,28) 2(6,2)
wire_jumper#2 [mm]
  round 2 hole 1: 1(7,27) 2(7,2)

## Part data
"10nF 0603_isns1" "10nF 0603_isns2" "10nF 0603_isns3": library part CMP-2006-04374-1, Manufacturer="AVX Interconnect / Elco", Part Number=06035C-103KAT2A
C1_isns1 C1_isns2 C1_isns3 C2_isns1 C2_isns2 C2_isns3 C9 C19 C24_isns1 C24_isns2 C24_isns3: library part CMP-1036-04410-2, "CAP CER 0.1UF 25V X7R 0805", Capacitance="100 nF", Manufacturer=Yageo, Manufacturer Part Number=CC0805KRX7R8BB104, Package=CC0805-0.85, Temperature="-30°C to +85°C", Temperature Characteristic=X7R, Temperature Range High=+85°C, Temperature Range Low=-30°C, Tolerance=0.1, Voltage Rating="25 V", Automotive=No, Category=Cap, ComponentLink2Description=Datasheet, ComponentLink2URL=http://www.yageo.com/documents/recent/UPY-GPHC_Y5V_6.3V-to-50V_8.pdf, Device Class L1="Passive Components", Device Class L2=Capacitors, Device Class L3="Ceramic Capacitors", Digikey Description="CAP CER 0.1UF 25V X7R 0805", Footprint Url=http://www.yageo.com/exep/pages/download/literatures/UPY-C_GEN_24.pdf, Height=0.95mm, Ipc Land Pattern Name=CAPC200125X85, Lead Free=Yes, Material=Ceramic, Mouser Description="Multilayer Ceramic Capacitors MLCC - SMD/SMT 100nF 25V X7R 10%", Octopart=https://octopart.com/cc0805krx7r8bb104-yageo-39467766, RoHS=TRUE
C3 C6 C7 C8 C12: library part CMP-2006-02790-2, "CAP CER 1UF 6.3V X5R 0603 / GRM188R60J105KA01D", Capacitance=1uF, Case Code (Imperial)=0603, Case Code (Metric)=1608, Dielectric=X5R, Dielectric Material=Ceramic, Insulation Resistance=500MR, Max Operating Temperature=85°C, Min Operating Temperature=-55°C, Package Quantity=1, Tolerance=10%, Voltage=6.3V, Case/Package=0603, Depth=0.8mm, Height=0.8mm, Lead Free="Lead Free", Length=1.6mm, Mount="Surface Mount", Packaging="Tape and Reel", Radiation Hardening=No, REACH SVHC="No SVHC", Termination=SMD/SMT, Thickness=0.035inch, Voltage Rating=6.3V, Voltage Rating (DC)=6.3V, Width=0.031inch
C4: library part CMP-2000-06337-3, "Chip Multilayer Ceramic Capacitors for General Purpose, 0603, 22uF, X5R, 15%, 20%, 10V / GRM188R61A226ME15D", Capacitance=22uF, Case Code (Imperial)=0603, Case Code (Metric)=1608, Dielectric=X5R, Max Operating Temperature=85°C, Min Operating Temperature=-55°C, Package Quantity=4000, Tolerance=20%, Voltage Rating=10V, Case/Package=0603, Depth=0.8mm, Height=0.8mm, Lead Free="Lead Free", Length=1.6mm, Material=Ceramic, Mount="Surface Mount", Packaging="Tape and Reel", REACH SVHC="No SVHC", Termination=SMD/SMT, Thickness=0.039inch, Voltage Rating (DC)=10V, Weight=0.000222oz, Width=0.8mm
c5: library part cap_smd, Supplier Part Number 1=445-5666-1-ND, Supplier 1=Digi-Key
C10: library part CMP-2006-02836-2, "Chip Multilayer Ceramic Capacitors for General Purpose, 0603, 2.2uF, X7R, 15%, 10%, 10V / GRM188R71A225KE15D", Capacitance=2.2uF, Case Code (Imperial)=0603, Case Code (Metric)=1608, Dielectric=X7R, Max Operating Temperature=125°C, Min Operating Temperature=-55°C, Package Quantity=1, Tolerance=10%, Voltage=10V, Case/Package=0603, Depth=0.8mm, Height=0.8mm, Lead Free="Lead Free", Length=1.6mm, Material=Ceramic, Mount="Surface Mount", Number of Pins=2, Packaging="Cut Tape", REACH SVHC="No SVHC", Termination=SMD/SMT, Thickness=0.035inch, Voltage Rating=10V, Voltage Rating (DC)=10V, Weight=7.1E-05oz, Width=0.031inch
C11_ch_ctrl_a C11_ch_ctrl_b C11_ch_ctrl_c C13_isns1 C13_isns2 C13_isns3: library part CMP-2000-07546-2, "Cap Ceramic 100nF 50V X7R 10% Pad SMD 0603 +125°C Automotive T/R / CGA3E2X7R1H104K080AA", Capacitance=100nF, Case Code (Imperial)=0603, Case Code (Metric)=1608, Dielectric=X7R, Max Operating Temperature=125°C, Min Operating Temperature=-55°C, Package Quantity=1, Ratings=AEC-Q200, Tolerance=10%, Voltage=50V, Case/Package=0603, Composition=Ceramic, Depth=0.8mm, Height=0.8mm, Lead Free="Lead Free", Length=1.6mm, Mount="Surface Mount", Packaging="Tape and Reel", Radiation Hardening=No, REACH SVHC="No SVHC", Termination=SMD/SMT, Thickness=0.035inch, Voltage Rating=50V, Voltage Rating (DC)=50V, Weight=7.1E-05oz, Width=0.8mm
C14: library part CMP-2007-00044-1, "TACR476M006XTA", Manufacturer="AVX Interconnect / Elco", Part Number=TACR476M006XTA
C15 C16 C17 C18 C21 C22 C23 C25 C26 C27 C28 C29 C30 C31 C32 C33 C34 C35: library part Cap, "Capacitor", LatestRevisionDate=17-Jul-2002, LatestRevisionNote="Re-released for DXP Platform.", PackageDescription="Radial Cap, Thru-Hole; 2 Leads; 0.3 in Pin Spacing", PackageReference=RAD-0.3, Published=8-Jun-2000, Publisher="Altium Limited"
C20: library part CMP-2007-03243-2, "CAP CER 10UF 10V X5R 0805 / C0805C106K8PACTU", 3DS Part Number=220-00001, Capacitance=10uF, Manufacturer=Kemet, Manufacturer Part Number=C0805C106K8PACTU, Package=C0805C-DG, Temperature="-55°C to +85°C", Temperature Characteristic=X5R, Temperature Coefficient=15%, Temperature Range High=+85°C, Temperature Range Low=-55°C, Tolerance=10%, Voltage=10V, Automotive=No, Category=Cap, ComponentLink2Description=Datasheet, ComponentLink2URL=https://content.kemet.com/datasheets/KEM_C1006_X5R_SMD.pdf, Device Class L1="Passive Components", Device Class L2=Capacitors, Device Class L3="Ceramic Capacitors", Digikey Description="CAP CER 10UF 10V X5R 0805", Height=1.4mm, Ipc Land Pattern Name=CAPC200125X125, Lead Free=Yes, Material=Ceramic, Mouser Description="CAP CER 10UF 10V X5R 0805", Octopart=https://octopart.com/c0805c106k8pactu-kemet-98697, RoHS=TRUE, Voltage Rating=10V
D2_isns1 D2_isns2 D2_isns3 D3_isns1 D3_isns2 D3_isns3: library part CMP-07163-000008-1, "DIODE GEN PURP 75V 200MA SOD523F", Capacitance=4pF, Forward Current=300mA, Manufacturer="ON Semiconductor", Max Junction Temp=+150°C, Max Repetitive Reverse Voltage=75V, Package=502-01, Peak Reverse Current=5uA, Reverse Voltage=100V, Temperature="-55°C to +150°C", Temperature Range Low=-55°C, Automotive=No, Category=Diode, ComponentLink2Description=Datasheet, ComponentLink2URL=https://www.onsemi.com/pub/Collateral/1N914BWT-D.pdf, Device Class L1="Discrete Semiconductors", Device Class L2=Diodes, Device Class L3="Rectifier Diodes", Digikey Description="DIODE GEN PURP 75V 200MA SOD523F", Footprint Url=https://www.onsemi.com/pub/Collateral/502-01.PDF, Height=0.7mm, Ipc Land Pattern Name=SODFL16080X60, Lead Free=Yes, Manufacturer Part Number=1N914BWT, Mouser Description="Diodes - General Purpose, Power, Switching SINGLE JUNC. 100V 4.0NS COMP", Octopart=https://octopart.com/1n914bwt-on+semiconductor-84323166, RoHS=TRUE, Temperature Range High=+150°C
J1_ch_ctrl_a J1_ch_ctrl_b J1_ch_ctrl_c: "Connector Block 19A Male Receptor", Supplier Part Number 1=281-4354-ND, Supplier 1=Digi-Key
J3: library part CMP-02762-000006-1, "CONN EDGE DUAL FMALE 120P 0.031", Color=Black, Max Operating Temperature=125°C, Min Operating Temperature=-55°C, Contact Material=Copper, Contact Plating=Gold, Contact Type=Cantilever, Gender=Female, Insulation Material=Polymer, Mount="Surface Mount", Number of Contacts=120, Number of Positions=120, Number of Rows=2, Packaging=Tray, Pitch=0.8mm, Radiation Hardening=No, RoHS Compliant=Yes, Series="Edge Rate™ HSEC8", Termination=Solder
J4: Supplier Part Number 1=SAM9080-ND, Supplier 1=Digi-Key
J5: library part CMP-1502-02476-1, "Serie 2431- 3.50 mm Vertical Entry with Rising Cage Clamp WR-TBL, 4 pin", Manufacturer="Wurth Elektronik", Operating Temperature=-30to120degC, Datasheet URL=http://katalog.we-online.de/em/datasheet/6912431000xx.pdf, Manufacturer URL=http://www.we-online.de, Mounting Technology=THT, Package Reference=691243100004, Packaging=Box, Part Number=691243100004, Pin Number=4, Pitch=3.50mm, Publisher=WurthElektronik
J6: Supplier Part Number 1=1175-1637-ND, Supplier 1=Digi-Key
J8: "Mating Product : 952-2565-ND", Supplier Part Number 1=952-2652-1-ND, Supplier 1=Digi-Key
P1: library part CMP-1502-01084-1, "THT Vertical Pin Header WR-PHD, Pitch 2.54 mm, Dual Row, 10 pins", Contact Resistance=20mOhm, Manufacturer="Wurth Elektronik", Operating Temperature=-40to105degC, Rated Current=3A, Withstanding Voltage=500VAC, Working Voltage=250VAC, Datasheet URL=https://katalog.we-online.de/em/datasheet/6130xx21121.pdf, Gender=Male, Manufacturer URL=http://www.we-online.de, Mounting Technology=THT, Orientation=Vertical, Package Reference=61301021121, Packaging=Bag, Part Number=61301021121, Pin Number=10, Pitch=2.54mm, Publisher=WurthElektronik, Row Number=Dual
P2: "Header, 2-Pin, Right Angle", LatestRevisionDate=17-Jul-2002, LatestRevisionNote="Re-released for DXP Platform.", Publisher="Altium Limited"
P3 P4: library part CMP-1502-00060-1, "Male Box Header WR-BHD, SMT, Vertical, pitch 2.54 mm, 10 pins", Contact Resistance=20mOhm, Manufacturer="Wurth Elektronik", Operating Temperature=-40to125degC, Withstanding Voltage=500VAC, Working Voltage=250VAC, Datasheet URL=https://katalog.we-online.de/em/datasheet/6123xx20621.pdf, Gender=Male, Manufacturer URL=http://www.we-online.de, Mounting Technology=SMT, Orientation=Vertical, Package Reference=61231020621, Packaging=TapeandReel, Part Number=61231020621, Pin Number=10, Pitch=2.54mm, Published Date=August2018, Publisher=WurthElektronik
P5_ch_ctrl_a P5_ch_ctrl_b P5_ch_ctrl_c P6_ch_ctrl_a P6_ch_ctrl_b P6_ch_ctrl_c P11_ch_ctrl_a P11_ch_ctrl_b P11_ch_ctrl_c: library part "Header 4X2", "Header, 4-Pin, Dual row", LatestRevisionDate=17-Jul-2002, LatestRevisionNote="Re-released for DXP Platform.", Publisher="Altium Limited", System=Connector
P7_ch_ctrl_a P7_ch_ctrl_b P7_ch_ctrl_c P10_ch_ctrl_a P10_ch_ctrl_b P10_ch_ctrl_c: "Header, 8-Pin", LatestRevisionDate=17-Jul-2002, LatestRevisionNote="Re-released for DXP Platform.", Publisher="Altium Limited"
P8_ch_ctrl_a P8_ch_ctrl_b P8_ch_ctrl_c: "Header, 4-Pin", LatestRevisionDate=17-Jul-2002, LatestRevisionNote="Re-released for DXP Platform.", Publisher="Altium Limited"
R1_ch_ctrl_a R1_ch_ctrl_b R1_ch_ctrl_c R2_ch_ctrl_a R2_ch_ctrl_b R2_ch_ctrl_c R3_ch_ctrl_a R3_ch_ctrl_b R3_ch_ctrl_c R4_ch_ctrl_a R4_ch_ctrl_b R4_ch_ctrl_c R10: "Resistor", LatestRevisionDate=17-Jul-2002, LatestRevisionNote="Re-released for DXP Platform.", PackageDescription="Axial Device, Thru-Hole; 2 Leads; 0.3 in Pin Spacing", PackageReference=AXIAL-0.3, Published=8-Jun-2000, Publisher="Altium Limited"
R5_isns1 R5_isns2 R5_isns3 R6_isns1 R6_isns2 R6_isns3: library part CMP-2000-00874-1, "ERA-3AEB103V", Manufacturer=Panasonic, Part Number=ERA-3AEB103V
R7 R8 R11 R13_isns1 R13_isns2 R13_isns3 R14_isns1 R14_isns2 R14_isns3 R15_isns1 R15_isns2 R15_isns3 R16_isns1 R16_isns2 R16_isns3 R17 R18 R19 R20 R21 R22 R23 R24 R25 R26 R27 R28 R29 R30 R31 R32 R33: library part Res1, "Resistor", LatestRevisionDate=17-Jul-2002, LatestRevisionNote="Re-released for DXP Platform.", PackageDescription="Axial Device, Thru-Hole; 2 Leads; 0.3 in Pin Spacing", PackageReference=AXIAL-0.3, Published=8-Jun-2000, Publisher="Altium Limited"
R9: library part CMP-2000-03814-1, "WSL0603R1000FEA", Manufacturer="Vishay Dale", Part Number=WSL0603R1000FEA
U1_ch_ctrl_a U1_ch_ctrl_b U1_ch_ctrl_c: library part CMP-0055-01329-3, "Tiny Low power Operational Amplifier with Rail-to-Rail Input and Output, 5-pin SOT-23, Pb-Free", Manufacturer="Texas Instruments", Package Reference=DBV0005A, PackageTopMarking=AT6A*XTT, PowerWise=N, ComponentLink1Description="Datasheet URL", ComponentLink1URL=http://www.ti.com/general/docs/lit/getliterature.tsp?genericPartNumber=LMC7101Q-Q1&fileType=pdf, CompType=Amplifiers, PackageDescription="Molded SOT-23, .115 x .063 x .040 in Body, 5 Lead, .0375 in Pitch", PinCount=5, RoHS=Y
U2: library part CMP-0367-00139-2, "20 ppm / degC Max, 100 uA Series Voltage Reference, -40 to 125 degC, 3-pin SOT-23 (DBZ), Green (RoHS & no Sb/Br)", Manufacturer="Texas Instruments", Rating=Catalog, Temp Coeff(Max)(ppm/ degree C)=20, Temp Coeff(Typ)(ppm/ degree C)=10, Code_JEDEC=TO-236, ComponentLink1Description="Manufacturer URL", ComponentLink1URL=http://www.ti.com/, ComponentLink2Description=Datasheet, ComponentLink2URL=http://www.ti.com/lit/ds/symlink/ref3130.pdf, ComponentLink3Description="Package Specification", ComponentLink3URL=http://www.ti.com/litv/pdf/mpds108a, DatasheetVersion=SBVS046C, Eco-Plan="Green (RoHS & no Sb/Br)", Initial Accuracy @ 25/deg C(%)=0.2, Iq(Max)(uA)=100, Mounting Technology="Surface Mount", PackageDescription="3-Pin Plastic Small Outline, Body 2.92 x 1.3 mm, Pitch 0.95 mm", PackageReference=DBZ0003A, PackageVersion=4203227/B, PartNumber=REF3130AIDBZR, SubFamily="Series Voltage Reference", VI(Max)(V)=5.5, VI(Min)(V)=3.05, VO(V)=3
U3_isns1 U3_isns2 U3_isns3: "TMCS1100A1QDR / 50mV/A , 1.8mOhm , 3V-5.5V", Supplier Part Number 1=296-TMCS1100A1QDRCT-ND, Supplier 1=Digi-Key
U4: library part CMP-0271-00145-3, "High-Speed, Single-Supply, Rail-to-Rail Operational Amplifier MicroAmplifier(TM) Series, 2.7 to 5.5 V, -40 to 85 degC, 8-pin SOIC (D8), Green (RoHS & no Sb/Br)", Manufacturer="Texas Instruments", Total Supply Voltage(Max)(+5V is 5, +/-5V is 10)=5.5, Total Supply Voltage(Min)(+5V is 5, +/-5V is 10)=2.7, CMRR(Min)(dB)=66, Code_JEDEC=MS-012, ComponentLink1Description="Manufacturer URL", ComponentLink1URL=http://www.ti.com/, ComponentLink2Description=Datasheet, ComponentLink2URL=http://www.ti.com/general/docs/lit/getliterature.tsp?genericPartNumber=OPA350&fileType=pdf, ComponentLink3Description="Package Specification", ComponentLink3URL=http://www.ti.com/litv/pdf/msoi002j, DatasheetVersion=SBOS099C, Eco-Plan="Green (RoHS & no Sb/Br)", IIB(Max)(pA)=10, Iq per channel(Max)(mA)=8.5, Mounting Technology="Surface Mount", Number of Channels=1, Offset Drift(Typ)(uV/C)=4, PackageDescription="8-Pin Plastic Small Outline, Body 4.9 x 3.9 mm, Pitch 1.27 mm", PackageReference=D0008A, PackageVersion="4040047-3/M, 06/2011", PartNumber=OPA350UA, Slew Rate(Typ)(V/us)=22, Sub Family="Low Input Bias Current Amp (<=10pA), Low Offset Voltage Amplifier (<=500uV), Low Supply Voltage Amplifier (<=2.7V), Precision Amplifier", Vio (25C)(Max)(mV)=1, Vn at 1kHz(Typ)(nV/rtHz)=18
U5: library part CMP-0244-00316-1, "1A, Low Drop Positive Voltage Regulator, 3.3V, 4-Pin SOT-223, Tape and Reel", ComponentLink1Description="Manufacturer URL", ComponentLink1URL=http://www.st.com, ComponentLink2Description=Datasheet, ComponentLink2URL=http://www.st.com/internet/com/TECHNICAL_RESOURCES/TECHNICAL_LITERATURE/DATASHEET/CD00002116.pdf, DatasheetVersion=2/12/2011, PackageDescription="4-Pin SOT-223 Package, 6.5 x 3.5 mm Body, 2.3 mm Pitch, 7 mm Lead Span", PackageReference=SOT-223, PackageVersion=2010
U6_isns1 U6_isns2 U6_isns3: library part CMP-0359-00848-2, "Dual Channel, Low Noise, CMOS Operational Amplifier, RRO, 50 MHz Typical GBW, 35 V/us Typical SR, 2.8 to 6 V, 8-Pin SOP (MS8-8), High Temperature / Automotive, Pb-Free, Reel", Linear Technology Part Number=LTC6244, Manufacturer="Linear Technology", Channels (#)=2, ComponentLink1Description="Manufacturer URL", ComponentLink1URL=http://www.linear.com/, ComponentLink2Description=Datasheet, ComponentLink2URL=http://cds.linear.com/docs/en/datasheet/6244fb.pdf, ComponentLink3Description="Package Specification", ComponentLink3URL=http://cds.linear.com/docs/en/packaging/05081610_G_SO8.pdf, DatasheetVersion="Rev. B", GBW (MHz) Typical=50, Is (mA) Typical=6.25, Mounting Technology="Surface Mount", PackageDescription="8-Lead Plastic Small Outline, Body 3.9 x 4.9 mm, Pitch 1.27 mm", PackageReference=LT-MS8-8, PackageVersion="Rev G", Packing=Reel, PartNumber=LTC6244HMS8#TRPBF, RevisionNote="URLs updated", RoHS=Pb-Free, SR (V/us) Typical=35, Type=VFB, Vos (mV) Typical=0.04, Vs Max (V)=6, Vs Min (V)=2.8

## Via types
v1: diameter 0.8, hole 0.35, Top Layer to Bottom Layer, 156 vias
v2: diameter 0.8, hole 0.35, Top Layer to Bottom Layer, tented both sides, 149 vias
v3: diameter 1.27, hole 0.711, Top Layer to Bottom Layer, 55 vias
v4: diameter 5, hole 5, Top Layer to Bottom Layer, 6 vias

## Nets (pads, with @x,y where several pads share a name; then routed paths per layer and width w, separated by ;. In a path a pad name is that pad's centre, name@x,y a point inside that pad or via, vN(x,y) a via of type N, cw(c..) or ccw(c..) an arc to the next point about the centre after c; other vN are vias at no path point)
12RTN: J5.1 P3.8 P3.10 P4.8 P4.10 | length 37.1
  Int1 (GND) w1.27: J5.1@14.815,48.833 14.815,45.383 v3(20.015,40.183) v3(21.515,40.183)
  Bottom Layer w0.6: v1(19.327,37.278) 19.327,36.826 P3.10@20.39,35.763 23.005,35.763 23.359,36.117 v1(23.413,36.117) ; P3.8@19.865,33.133 19.955,33.223 P3.8@20.39,33.223 20.875,33.223 20.94,33.158 22.954,33.158 v1(23.413,33.617) v1(23.413,35.117) v1(23.413,36.117) ; P4.8@20.66,10.763 20.805,10.908 21.79,10.908 21.993,11.11 23.418,11.11 v1(23.64,11.333) 23.64,11.387 23.782,11.529 v1(23.782,13.923) ; P4.10@20.66,13.303 21.236,13.303 21.291,13.247 23.107,13.247 v1(23.782,13.923) ; v1(23.413,37.117) v1(23.413,36.117) ; v1(23.738,16.942) 23.763,16.917 23.763,16.017 v1(23.788,15.992) 23.801,15.979 23.801,15.079 v1(23.813,15.067) 23.798,15.051 23.798,13.938 v1(23.782,13.923)